# KiCad board rgbwstrip120_250_panel.kicad_pcb (continued)
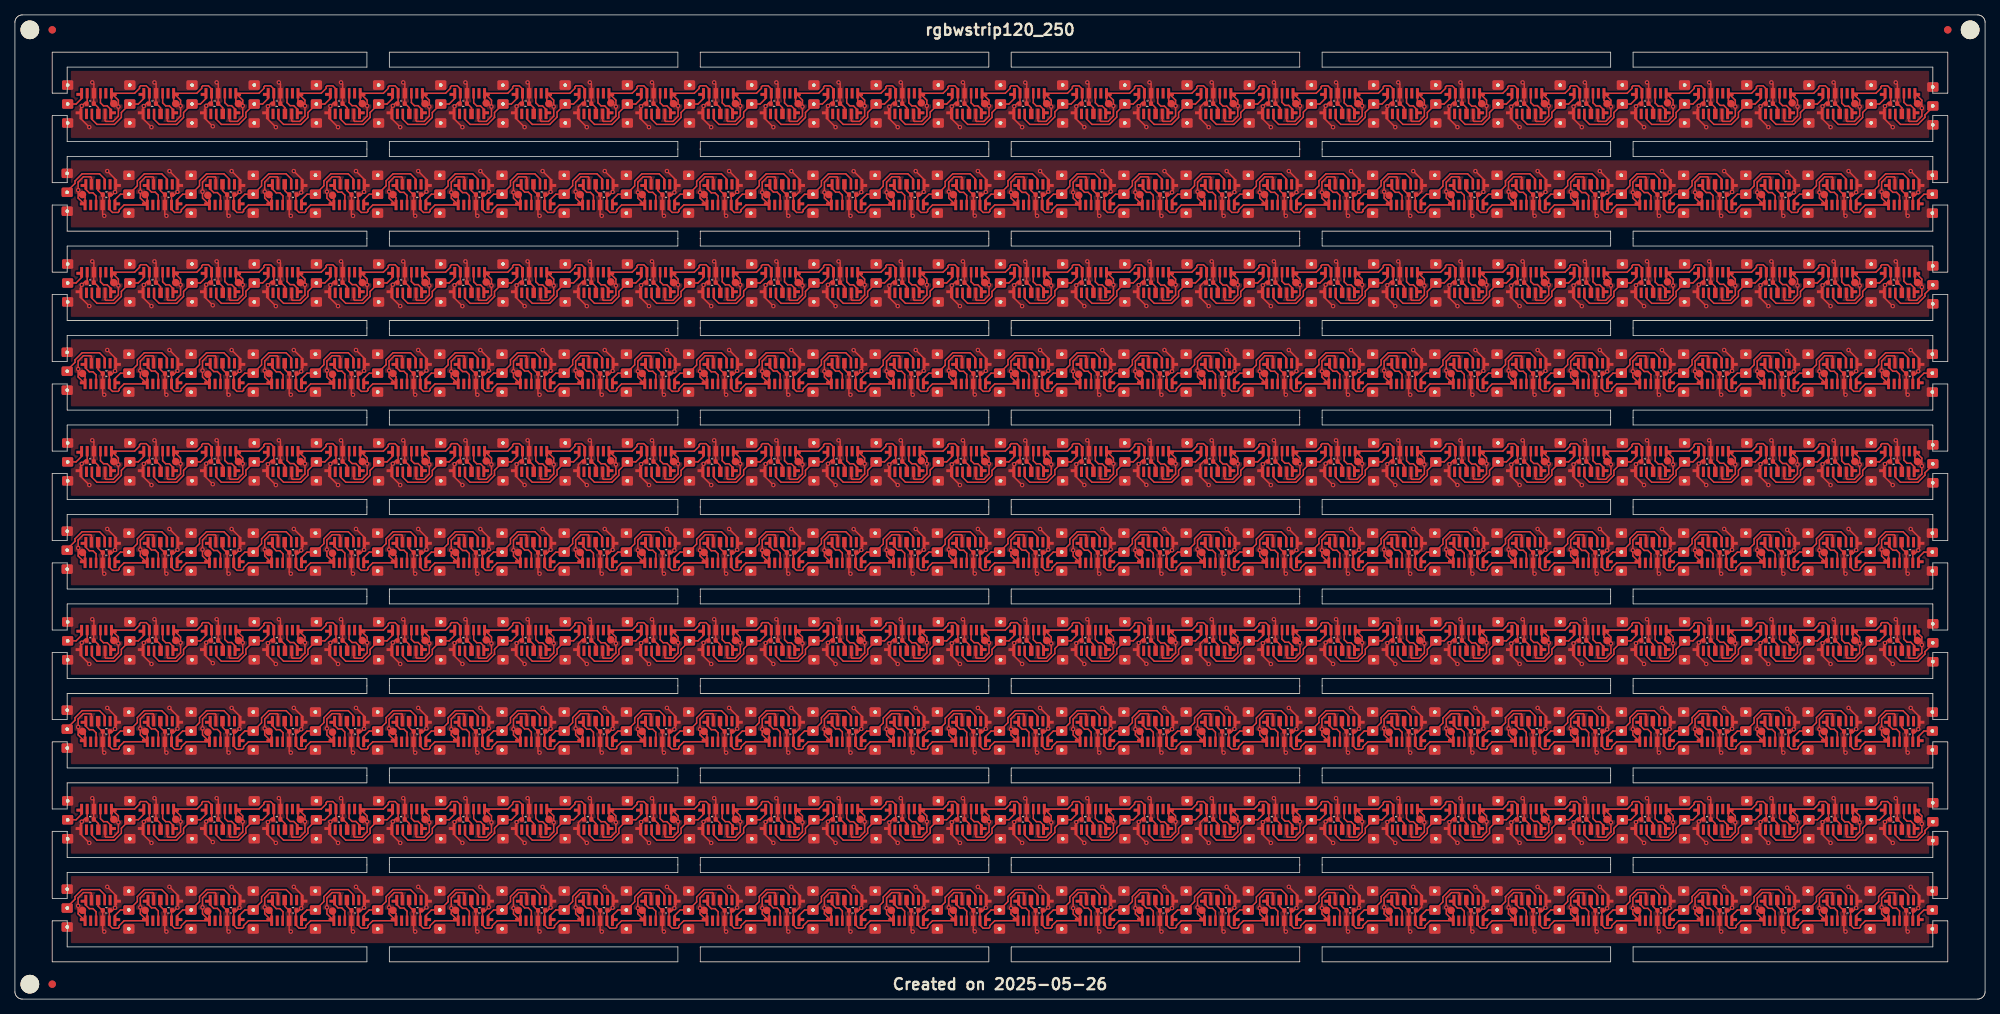
[diagram p0: board, top side]
## Routing (per net, layer and track width the routed paths; a pad name or vN(x,y) marks a point on that pad's centre or on a via; arc(x,y) is an arc through that point) (continued)
Board_2-Net-(J31-Pin_2): length 7.2
  Top w0.2: 251.98,94.72 251.98,94 252.66,93.32 255,93.32 255.95,94.27 255.95,94.6 256.6,95.25 256.6,95.79
Board_2-Net-(U1-DIN): length 3.5
  Top w0.2: 12.83,94.27 12.83,95.33 12.37,95.8 11.87,95.8 11.46,96.21 11.46,96.92
Board_2-Net-(U3-DIN): length 3.5
  Top w0.2: 21.17,94.27 21.17,95.33 20.7,95.8 20.2,95.8 19.79,96.21 19.79,96.92
Board_2-Net-(U5-DIN): length 3.5
  Top w0.2: 28.12,96.95 28.12,96.24 28.53,95.83 29.03,95.83 29.5,95.36 29.5,94.3
Board_2-Net-(U7-DIN): length 3.5
  Top w0.2: 36.46,96.95 36.46,96.24 36.87,95.83 37.37,95.83 37.83,95.36 37.83,94.3
Board_2-Net-(U10-DOUT): length 3.5
  Top w0.2: 46.15,94.3 46.15,95.36 45.68,95.83 45.18,95.83 44.77,96.24 44.77,96.95
Board_2-Net-(U11-DIN): length 3.5
  Top w0.2: 53.12,96.95 53.12,96.24 53.53,95.83 54.03,95.83 54.5,95.36 54.5,94.3
Board_2-Net-(U13-DIN): length 3.5
  Top w0.2: 61.47,96.92 61.47,96.21 61.88,95.8 62.38,95.8 62.85,95.33 62.85,94.27
Board_2-Net-(U15-DIN): length 3.5
  Top w0.2: 69.79,96.92 69.79,96.21 70.2,95.8 70.7,95.8 71.17,95.33 71.17,94.27
Board_2-Net-(U17-DIN): length 3.5
  Top w0.2: 79.5,94.27 79.5,95.33 79.03,95.8 78.53,95.8 78.12,96.21 78.12,96.92
Board_2-Net-(U19-DIN): length 3.5
  Top w0.2: 86.46,96.92 86.46,96.21 86.87,95.8 87.37,95.8 87.83,95.33 87.83,94.27
Board_2-Net-(U21-DIN): length 3.5
  Top w0.2: 94.78,96.92 94.78,96.21 95.18,95.8 95.68,95.8 96.15,95.33 96.15,94.27
Board_2-Net-(U23-DIN): length 3.5
  Top w0.2: 103.12,96.92 103.12,96.21 103.53,95.8 104.03,95.8 104.5,95.33 104.5,94.27
Board_2-Net-(U25-DIN): length 3.5
  Top w0.2: 111.46,96.92 111.46,96.21 111.87,95.8 112.37,95.8 112.83,95.33 112.83,94.27
Board_2-Net-(U27-DIN): length 3.5
  Top w0.2: 121.15,94.27 121.15,95.33 120.68,95.8 120.18,95.8 119.78,96.21 119.78,96.92
Board_2-Net-(U29-DIN): length 3.5
  Top w0.2: 128.12,96.92 128.12,96.21 128.53,95.8 129.03,95.8 129.5,95.33 129.5,94.27
Board_2-Net-(U31-DIN): length 3.5
  Top w0.2: 137.83,94.27 137.83,95.33 137.37,95.8 136.87,95.8 136.46,96.21 136.46,96.92
Board_2-Net-(U33-DIN): length 3.5
  Top w0.2: 146.15,94.27 146.15,95.33 145.68,95.8 145.18,95.8 144.78,96.21 144.78,96.92
Board_2-Net-(U35-DIN): length 3.5
  Top w0.2: 153.12,96.89 153.12,96.18 153.53,95.77 154.03,95.77 154.5,95.3 154.5,94.24
Board_2-Net-(U37-DIN): length 3.5
  Top w0.2: 162.83,94.24 162.83,95.3 162.37,95.77 161.87,95.77 161.46,96.18 161.46,96.89
Board_2-Net-(U39-DIN): length 3.5
  Top w0.2: 171.15,94.34 171.15,95.4 170.68,95.87 170.18,95.87 169.78,96.28 169.78,96.99
Board_2-Net-(U41-DIN): length 3.5
  Top w0.2: 178.12,96.92 178.12,96.21 178.53,95.8 179.03,95.8 179.5,95.33 179.5,94.27
Board_2-Net-(U43-DIN): length 3.5
  Top w0.2: 186.47,96.92 186.47,96.21 186.88,95.8 187.38,95.8 187.85,95.33 187.85,94.27
Board_2-Net-(U45-DIN): length 3.5
  Top w0.2: 196.17,94.24 196.17,95.3 195.7,95.77 195.2,95.77 194.79,96.18 194.79,96.89
Board_2-Net-(U47-DIN): length 3.5
  Top w0.2: 204.48,94.31 204.48,95.37 204.02,95.83 203.52,95.83 203.11,96.24 203.11,96.96
Board_2-Net-(U49-DIN): length 3.5
  Top w0.2: 211.46,96.92 211.46,96.21 211.87,95.8 212.37,95.8 212.83,95.33 212.83,94.27
Board_2-Net-(U51-DIN): length 3.5
  Top w0.2: 221.17,94.24 221.17,95.3 220.7,95.77 220.2,95.77 219.79,96.18 219.79,96.89
Board_2-Net-(U53-DIN): length 3.5
  Top w0.2: 229.45,94.34 229.45,95.4 228.98,95.87 228.48,95.87 228.07,96.28 228.07,96.99
Board_2-Net-(U55-DIN): length 3.5
  Top w0.2: 236.46,96.96 236.46,96.24 236.87,95.83 237.37,95.83 237.83,95.37 237.83,94.31
Board_2-Net-(U57-DIN): length 3.5
  Top w0.2: 244.79,96.89 244.79,96.18 245.2,95.77 245.7,95.77 246.17,95.3 246.17,94.24
Board_2-Net-(U59-DIN): length 3.5
  Top w0.2: 254.5,94.34 254.5,95.4 254.03,95.87 253.53,95.87 253.12,96.28 253.12,96.99
Board_3-+3.3V: length 592.6
  Top w0.2: 100.92,82.57 100.98,82.51 ; U37#9.1 105.17,85.92 v1(104.04,87.05) ; U9#7.5 218.58,86.18 218.48,86.28 217.51,86.28 216.8,85.58 v1(216.8,84.2) 216.8,83.44 U10#7.1 ; U41.5 85.25,86.18 85.14,86.28 84.17,86.28 83.47,85.58 v1(83.47,84.2) 83.47,83.44 U42.1 ; K4#3.1 117.73,83.62 U34#10.1 ; U40#8.1 92.73,83.52 K9#2.1 ; U40#8.1 89.63,82.51 88.97,81.85 88.97,81.65 88.82,81.5 88.07,81.5 87.65,81.93 U42.5 87.65,83.75 87.73,83.83 88.01,83.83 v1(88.36,84.19) 88.5,84.32 88.5,85.16 ; U40#8.1 91.8,83.44 v1(91.8,84.2) 91.8,85.58 92.51,86.28 93.48,86.28 93.58,86.18 U39#4.5 ; 13.5,85.16 13.5,84.32 v1(13.41,84.24) 13.01,83.83 12.73,83.83 12.65,83.75 U60#10.5 12.65,81.93 13.07,81.5 13.82,81.5 13.97,81.65 13.97,81.85 14.63,82.51 U58#6.1 ; v1(254.04,87.05) 255.17,85.92 U1#8.1 ; v1(212.37,87.05) 213.5,85.92 U11#9.1 ; U13#3.5 201.92,86.18 201.81,86.28 200.84,86.28 200.14,85.58 v1(200.15,84.3) ; U53#10.5 35.25,86.18 35.14,86.28 34.17,86.28 33.47,85.58 v1(33.47,84.3) 33.47,83.44 U54#5.1 ; 105.17,85.16 105.17,84.32 104.68,83.83 104.4,83.83 104.32,83.75 U38#7.5 104.32,81.93 104.74,81.5 105.49,81.5 105.64,81.65 105.64,81.85 106.29,82.51 U36#6.1 ; 254.32,81.93 U2#7.5 254.32,83.75 254.4,83.83 254.68,83.83 v1(255.05,84.2) 255.17,84.32 255.17,85.16 ; U5#6.1 238.5,85.92 v1(237.49,86.94) 237.37,87.05 ; 159.26,82.57 159.32,82.51 ; U36#6.1 109.4,83.55 K30.1 ; U36#6.1 108.47,83.44 v1(108.47,84.2) 108.47,85.58 109.17,86.28 110.14,86.28 110.25,86.18 U35.5 ; U2#7.1 247.96,82.51 247.3,81.85 247.3,81.65 247.15,81.5 246.41,81.5 245.98,81.93 U4#7.5 245.98,83.75 246.06,83.83 246.34,83.83 v1(246.73,84.22) 246.83,84.32 246.83,85.16 ; U2#7.1 250.75,82.82 ; U2#7.1 250.14,83.44 v1(250.14,84.3) 250.14,85.58 250.84,86.28 251.81,86.28 251.92,86.18 U1#8.5 ; U2#7.1 251.07,83.58 K1#10.1 ; U45#5.1 71.83,85.92 v1(70.7,87.05) ; 46.83,85.16 46.83,84.32 v1(46.78,84.27) 46.34,83.83 46.06,83.83 45.98,83.75 U52#5.5 45.98,81.93 46.41,81.5 47.15,81.5 47.3,81.65 47.3,81.85 47.96,82.51 U50#8.1 ; U51#4.1 46.83,85.92 v1(45.7,87.05) ; U43#3.1 80.17,85.92 v1(79.04,87.05) ; U50#8.1 51.07,83.48 K15#7.1 ; U50#8.1 50.14,83.44 v1(50.14,84.3) 50.14,85.58 50.84,86.28 51.81,86.28 51.92,86.18 U49#5.5 ; K24#3.1 34.4,83.55 U54#5.1 ; K2#8.1 192.73,83.62 U16.1 ; 250.92,82.57 250.98,82.51 ; K25#4.1 17.73,83.62 U58#6.1 ; U38#7.1 100.14,83.44 v1(100.14,84.2) 100.14,85.58 100.84,86.28 101.81,86.28 101.92,86.18 U37#9.5 ; U38#7.1 101.07,83.58 K5#8.1 ; U38#7.1 97.96,82.51 97.3,81.85 97.3,81.65 97.15,81.5 96.41,81.5 95.98,81.93 U40#8.5 95.98,83.75 96.06,83.83 96.34,83.83 v1(96.78,84.27) 96.83,84.32 96.83,85.16 ; U46#2.1 66.8,83.44 v1(66.8,84.2) 66.8,85.58 67.51,86.28 68.48,86.28 68.58,86.18 U45#5.5 ; U46#2.1 64.63,82.51 63.97,81.85 63.97,81.65 63.82,81.5 63.07,81.5 62.65,81.93 U48#3.5 62.65,83.75 62.73,83.83 63.01,83.83 v1(63.5,84.32) 63.5,85.16 ; U46#2.1 67.73,83.62 K23#4.1 ; K26#10.1 234.4,83.55 U6#5.1 ; U4#7.1 241.8,83.44 v1(241.8,84.2) 241.8,85.58 242.51,86.28 243.48,86.28 243.58,86.18 U3#6.5 ; U4#7.1 242.45,82.79 ; U4#7.1 242.73,83.62 K6.1 ; U4#7.1 239.63,82.51 238.97,81.85 238.97,81.65 238.82,81.5 238.07,81.5 237.65,81.93 U6#5.5 237.65,83.75 237.73,83.83 238.01,83.83 v1(238.36,84.19) 238.5,84.32 238.5,85.16 ; 109.26,82.57 109.32,82.51 ; U17.5 185.25,86.18 185.14,86.28 184.17,86.28 183.47,85.58 v1(183.47,84.3) ; U28#10.1 142.73,83.62 K13#3.1 ; U28#10.1 141.8,83.44 v1(141.8,84.2) 141.8,85.58 142.51,86.28 143.48,86.28 143.58,86.18 U27#2.5 ; U28#10.1 139.63,82.51 138.97,81.85 138.97,81.65 138.82,81.5 138.07,81.5 137.65,81.93 U30#8.5 137.65,83.75 137.73,83.83 138.01,83.83 v1(138.46,84.29) 138.5,84.32 138.5,85.16 ; v1(187.37,87.05) 188.5,85.92 U17.1 ; v1(162.37,87.05) 163.5,85.92 U23#9.1 ; v1(145.7,87.05) 146.83,85.92 U27#2.1 ; v1(183.47,84.3) 183.47,83.44 U18#3.1 ; v1(183.47,84.3) 183.97,83.8 K7#6.1 184.4,83.55 U18#3.1 ; K12.1 176.07,83.58 U20#9.1 ; U25#6.1 155.17,85.92 v1(154.04,87.05) ; v1(12.37,87.05) 13.5,85.92 U59#2.1 ; U11#9.5 210.25,86.18 210.14,86.28 209.17,86.28 208.47,85.58 v1(208.47,84.3) 208.47,83.44 U12#8.1 ; U13#3.1 205.17,85.92 v1(204.04,87.05) ; U14#7.1 200.14,83.44 v1(200.15,84.3) ; U14#7.1 197.96,82.51 197.3,81.85 197.3,81.65 197.15,81.5 196.41,81.5 195.98,81.93 U16.5 195.98,83.75 196.06,83.83 196.34,83.83 v1(196.78,84.27) 196.83,84.32 196.83,85.16 ; U14#7.1 201.07,83.62 K27#10.1 200.62,83.83 v1(200.15,84.3) ; U53#10.1 38.5,85.92 v1(37.37,87.05) ; U30#8.1 131.29,82.51 130.64,81.85 130.64,81.65 130.49,81.5 129.74,81.5 129.32,81.93 U32#7.5 129.32,83.75 129.4,83.83 129.68,83.83 v1(130.1,84.25) 130.17,84.32 130.17,85.16 ; U30#8.1 134.4,83.55 K18#3.1 ; U30#8.1 133.47,83.44 v1(133.47,84.2) 133.47,85.58 134.17,86.28 135.14,86.28 135.25,86.18 U29#7.5 ; U34#10.1 116.8,83.44 v1(116.8,84.2) 116.8,85.58 117.51,86.28 118.48,86.28 118.58,86.18 U33#7.5 ; U34#10.1 114.63,82.51 113.97,81.85 113.97,81.65 113.82,81.5 113.07,81.5 112.65,81.93 U36#6.5 112.65,83.75 112.73,83.83 113.01,83.83 v1(113.41,84.24) 113.5,84.32 113.5,85.16 ; K21#10.1 226.07,83.58 U8#2.1 ; 209.26,82.57 209.32,82.51 ; U48#3.1 59.4,83.55 K28#6.1 ; U48#3.1 56.29,82.51 55.64,81.85 55.64,81.65 55.49,81.5 54.74,81.5 54.32,81.93 U50#8.5 54.32,83.75 54.4,83.83 54.68,83.83 v1(55.15,84.3) 55.17,84.32 55.17,85.16 ; U48#3.1 58.47,83.44 v1(58.47,84.2) 58.47,85.58 59.17,86.28 60.14,86.28 60.25,86.18 U47#2.5 ; U25#6.5 151.92,86.18 151.81,86.28 150.84,86.28 150.14,85.58 v1(150.14,84.2) 150.14,83.44 U26#10.1 ; v1(245.7,87.05) 246.83,85.92 U3#6.1 ; U12#8.1 206.29,82.51 205.64,81.85 205.64,81.65 205.49,81.5 204.74,81.5 204.32,81.93 U14#7.5 204.32,83.75 204.4,83.83 204.68,83.83 v1(205.1,84.25) 205.17,84.32 205.17,85.16 ; U12#8.1 209.4,83.55 K11#4.1 ; v1(179.04,87.05) 180.17,85.92 U19#8.1 ; U10#7.1 217.73,83.62 K16#10.1 ; U10#7.1 214.63,82.51 213.97,81.85 213.97,81.65 213.82,81.5 213.07,81.5 212.65,81.93 U12#8.5 212.65,83.75 212.73,83.83 213.01,83.83 v1(213.36,84.19) 213.5,84.32 213.5,85.16 ; U44#3.1 76.07,83.58 K14#10.1 ; U44#3.1 72.96,82.51 72.3,81.85 72.3,81.65 72.15,81.5 71.41,81.5 70.98,81.93 U46#2.5 70.98,83.75 71.06,83.83 71.34,83.83 v1(71.78,84.27) 71.83,84.32 71.83,85.16 ; U44#3.1 75.14,83.44 v1(75.14,84.3) 75.14,85.58 75.84,86.28 76.81,86.28 76.92,86.18 U43#3.5 ; v1(54.04,87.05) 55.17,85.92 U49#5.1 ; K20#3.1 26.07,83.58 U56#3.1 ; U57#6.5 18.58,86.18 18.48,86.28 17.51,86.28 16.8,85.58 v1(16.8,84.3) 16.8,83.44 U58#6.1 ; 221.83,85.16 221.83,84.32 v1(221.73,84.22) 221.34,83.83 221.06,83.83 220.98,83.75 U10#7.5 220.98,81.93 221.41,81.5 222.15,81.5 222.3,81.65 222.3,81.85 222.96,82.51 U8#2.1 ; U33#7.1 121.83,85.92 v1(120.7,87.05) ; v1(29.04,87.05) 30.17,85.92 U55#7.1 ; v1(137.37,87.05) 138.5,85.92 U29#7.1 ; v1(20.7,87.05) 21.83,85.92 U57#6.1 ; U42.1 81.29,82.51 80.64,81.85 80.64,81.65 80.49,81.5 79.74,81.5 79.32,81.93 U44#3.5 79.32,83.75 79.4,83.83 79.68,83.83 v1(80.1,84.25) 80.17,84.32 80.17,85.16 ; U42.1 84.4,83.55 K10#9.1 ; 171.83,85.16 171.83,84.32 v1(171.73,84.22) 171.34,83.83 171.06,83.83 170.98,83.75 U22#4.5 170.98,81.93 171.41,81.5 172.15,81.5 172.3,81.65 172.3,81.85 172.96,82.51 U20#9.1 ; U51#4.5 43.58,86.18 43.48,86.28 42.51,86.28 41.8,85.58 v1(41.8,84.3) 41.8,83.44 U52#5.1 ; U16.1 191.8,83.44 v1(191.8,84.3) 191.8,85.58 192.51,86.28 193.48,86.28 193.58,86.18 U15#3.5 ; U16.1 189.63,82.51 188.97,81.85 188.97,81.65 188.82,81.5 188.07,81.5 187.65,81.93 U18#3.5 187.65,83.75 187.73,83.83 188.01,83.83 188.5,84.32 188.5,85.16 ; U32#7.1 125.14,83.44 v1(125.14,84.3) 125.14,85.58 125.84,86.28 126.81,86.28 126.92,86.18 U31#5.5 ; U32#7.1 122.96,82.51 122.3,81.85 122.3,81.65 122.15,81.5 121.41,81.5 120.98,81.93 U34#10.5 120.98,83.75 121.06,83.83 121.34,83.83 v1(121.78,84.27) 121.83,84.32 121.83,85.16 ; U32#7.1 126.07,83.58 K8#4.1 ; U56#3.1 25.14,83.44 v1(25.14,84.3) 25.14,85.58 25.84,86.28 26.81,86.28 26.92,86.18 U55#7.5 ; U56#3.1 22.96,82.51 22.3,81.85 22.3,81.65 22.15,81.5 21.41,81.5 20.98,81.93 U58#6.5 20.98,83.75 21.06,83.83 21.34,83.83 v1(21.78,84.27) 21.83,84.32 21.83,85.16 ; 34.26,82.57 34.32,82.51 ; U54#5.1 31.29,82.51 30.64,81.85 30.64,81.65 30.49,81.5 29.74,81.5 29.32,81.93 U56#3.5 29.32,83.75 29.4,83.83 29.68,83.83 v1(30.1,84.25) 30.17,84.32 30.17,85.16 ; U24#8.1 159.4,83.55 K17#4.1 ; U24#8.1 156.29,82.51 155.64,81.85 155.64,81.65 155.49,81.5 154.74,81.5 154.32,81.93 U26#10.5 154.32,83.75 154.4,83.83 154.68,83.83 v1(155.05,84.2) 155.17,84.32 155.17,85.16 ; U24#8.1 158.47,83.44 v1(158.47,84.3) 158.47,85.58 159.17,86.28 160.14,86.28 160.25,86.18 U23#9.5 ; 225.75,82.83 U8#2.1 ; U8#2.1 225.14,83.44 v1(225.14,84.2) 225.14,85.58 225.84,86.28 226.81,86.28 226.92,86.18 U7#5.5 ; v1(95.7,87.05) 96.83,85.92 U39#4.1 ; U15#3.1 196.83,85.92 v1(195.7,87.05) ; U18#3.1 181.29,82.51 180.64,81.85 180.64,81.65 180.49,81.5 179.74,81.5 179.32,81.93 U20#9.5 179.32,83.75 179.4,83.83 179.68,83.83 v1(180.1,84.25) 180.17,84.32 180.17,85.16 ; U20#9.1 175.14,83.44 v1(175.14,84.2) 175.14,85.58 175.84,86.28 176.81,86.28 176.92,86.18 U19#8.5 ; U26#10.1 147.96,82.51 147.3,81.85 147.3,81.65 147.15,81.5 146.41,81.5 145.98,81.93 U28#10.5 145.98,83.75 146.06,83.83 146.34,83.83 v1(146.83,84.32) 146.83,84.32 146.83,85.16 ; U26#10.1 151.07,83.58 K3#3.1 ; U5#6.5 235.25,86.18 235.14,86.28 234.17,86.28 233.47,85.58 v1(233.47,84.2) 233.47,83.44 U6#5.1 ; v1(220.7,87.05) 221.83,85.92 U9#7.1 ; U6#5.1 231.29,82.51 230.64,81.85 230.64,81.65 230.49,81.5 229.74,81.5 229.32,81.93 U8#2.5 229.32,83.75 229.4,83.83 229.68,83.83 v1(230.1,84.25) 230.17,84.32 230.17,85.16 ; 242.59,82.57 242.65,82.51 ; 125.92,82.57 125.98,82.51 ; U21#4.5 168.58,86.18 168.48,86.28 167.51,86.28 166.8,85.58 v1(166.8,84.2) 166.8,83.44 U22#4.1 ; v1(170.7,87.05) 171.83,85.92 U21#4.1 ; 234.26,82.57 234.32,82.51 ; 175.92,82.57 175.98,82.51 ; 225.92,82.57 225.98,82.51 ; U52#5.1 42.73,83.62 K19#10.1 ; U52#5.1 39.63,82.51 38.97,81.85 38.97,81.65 38.82,81.5 38.07,81.5 37.65,81.93 U54#5.5 37.65,83.75 37.73,83.83 38.01,83.83 v1(38.36,84.19) 38.5,84.32 38.5,85.16 ; U47#2.1 63.5,85.92 v1(62.37,87.05) ; U59#2.5 10.25,86.18 10.14,86.28 9.17,86.28 8.47,85.58 v1(8.47,84.5) 8.47,83.44 U60#10.1 9.4,83.55 K29#4.1 ; U22#4.1 164.63,82.51 163.97,81.85 163.97,81.65 163.82,81.5 163.07,81.5 162.65,81.93 U24#8.5 162.65,83.75 162.73,83.83 163.01,83.83 v1(163.41,84.24) 163.5,84.32 163.5,85.16 ; U22#4.1 167.73,83.62 K22#6.1 ; 25.92,82.57 25.98,82.51 ; 142.59,82.57 142.65,82.51 ; 167.59,82.57 167.65,82.51 ; v1(229.04,87.05) 230.17,85.92 U7#5.1 ; 84.26,82.57 84.32,82.51 ; 50.92,82.57 50.98,82.51 ; 192.59,82.57 192.65,82.51 ; 9.26,82.57 9.32,82.51 ; 217.59,82.57 217.65,82.51 ; U41.1 88.5,85.92 v1(87.37,87.05) ; 75.92,82.57 75.98,82.51 ; 134.26,82.57 134.32,82.51 ; 42.59,82.57 42.65,82.51 ; 17.59,82.57 17.65,82.51 ; 150.92,82.57 150.98,82.51 ; 184.26,82.57 184.32,82.51 ; 112.37,87.05 v1(112.39,87.04) 113.5,85.92 U35.1 ; v1(129.04,87.05) 130.17,85.92 U31#5.1 ; 59.26,82.57 59.32,82.51 ; 200.92,82.57 200.98,82.51 ; 67.59,82.57 67.65,82.51 ; 117.59,82.57 117.65,82.51 ; 92.59,82.57 92.65,82.51
Board_3-GND: length 133.9
  Top w0.2: v1(120.3,81.05) 120.08,81.27 U34#10.4 120.1,82.53 120.1,83.83 119.48,84.45 119.48,85.16 ; 20.3,81.05 v1(20.3,81.05) 20.08,81.27 U58#6.4 20.1,82.53 20.1,83.83 19.48,84.45 19.48,85.16 ; v1(78.64,81.05) 78.42,81.27 U44#3.4 78.44,82.53 78.44,83.83 77.82,84.45 77.82,85.16 ; v1(161.97,81.05) 161.75,81.27 U24#8.4 161.77,82.53 161.77,83.83 161.15,84.45 161.15,85.16 ; v1(186.97,81.05) 186.75,81.27 U18#3.4 186.77,82.53 186.77,83.83 186.15,84.45 186.15,85.16 ; 102.82,85.16 102.82,84.45 103.44,83.83 103.44,82.53 U38#7.4 103.42,81.27 v1(103.64,81.05) ; v1(236.97,81.05) 236.75,81.27 U6#5.4 236.77,82.53 236.77,83.83 236.15,84.45 236.15,85.16 ; 144.48,85.16 144.48,84.45 145.1,83.83 145.1,82.53 U28#10.4 145.08,81.27 v1(145.3,81.05) ; 252.82,85.16 252.82,84.45 253.44,83.83 253.44,82.53 U2#7.4 253.42,81.27 v1(253.64,81.05) ; v1(195.3,81.05) 195.08,81.27 U16.4 195.1,82.53 195.1,83.83 194.48,84.45 194.48,85.16 ; v1(86.97,81.05) 86.75,81.27 U42.4 86.77,82.53 86.77,83.83 86.15,84.45 86.15,85.16 ; 11.15,85.16 11.15,84.45 11.77,83.83 11.77,82.53 U60#10.4 11.75,81.27 v1(11.97,81.05) ; v1(95.3,81.05) 95.08,81.27 U40#8.4 95.1,82.53 95.1,83.83 94.48,84.45 94.48,85.16 ; 128.64,81.05 v1(128.62,81.07) 128.42,81.27 U32#7.4 128.44,82.53 128.44,83.83 127.82,84.45 127.82,85.16 ; 177.82,85.16 177.82,84.45 178.44,83.83 178.44,82.53 U20#9.4 178.42,81.27 v1(178.64,81.05) ; v1(153.64,81.05) 153.42,81.27 U26#10.4 153.44,82.53 153.44,83.83 152.82,84.45 152.82,85.16 ; v1(136.97,81.05) 136.75,81.27 U30#8.4 136.77,82.53 136.77,83.83 136.15,84.45 136.15,85.16 ; 219.48,85.16 219.48,84.45 220.1,83.83 220.1,82.53 U10#7.4 220.08,81.27 v1(220.3,81.05) ; v1(245.3,81.05) 245.08,81.27 U4#7.4 245.1,82.53 245.1,83.83 244.48,84.45 244.48,85.16 ; v1(28.64,81.05) 28.42,81.27 U56#3.4 28.44,82.53 28.44,83.83 27.82,84.45 27.82,85.16 ; 169.48,85.16 169.48,84.45 170.1,83.83 170.1,82.53 U22#4.4 170.08,81.27 v1(170.3,81.05) ; v1(61.97,81.05) 61.75,81.27 U48#3.4 61.77,82.53 61.77,83.83 61.15,84.45 61.15,85.16 ; v1(53.64,81.05) 53.42,81.27 U50#8.4 53.44,82.53 53.44,83.83 52.82,84.45 52.82,85.16 ; v1(111.97,81.05) 111.75,81.27 U36#6.4 111.77,82.53 111.77,83.83 111.15,84.45 111.15,85.16 ; v1(36.97,81.05) 36.75,81.27 U54#5.4 36.77,82.53 36.77,83.83 36.15,84.45 36.15,85.16 ; 227.82,85.16 227.82,84.45 228.44,83.83 228.44,82.53 U8#2.4 228.42,81.27 v1(228.64,81.05) ; 211.15,85.16 211.15,84.45 211.77,83.83 211.77,82.53 U12#8.4 211.75,81.27 v1(211.97,81.05) ; v1(45.3,81.05) 45.08,81.27 U52#5.4 45.1,82.53 45.1,83.83 44.48,84.45 44.48,85.16 ; v1(70.3,81.05) 70.08,81.27 U46#2.4 70.1,82.53 70.1,83.83 69.48,84.45 69.48,85.16 ; 202.82,85.16 202.82,84.45 203.44,83.83 203.44,82.53 U14#7.4 203.42,81.27 v1(203.64,81.05)
Board_3-Net-(J1-Pin_2): length 2.8
  Top w0.2: U2#7.6 255.07,83.21 255.81,83.95 256.84,83.95
Board_3-Net-(J2-Pin_2): length 10.4
  Top w0.2: J2#2.2 249.74,85.09 249.74,85.75 250.67,86.68 253.01,86.68 253.69,86 253.69,85.28 ; U4#7.6 246.73,83.21 247.47,83.95 248.5,83.95
Board_3-Net-(J3-Pin_2): length 10.4
  Top w0.2: J3#4.2 241.4,85.09 241.4,85.75 242.34,86.68 244.67,86.68 245.35,86 245.35,85.28 ; 240.17,83.95 239.14,83.95 238.4,83.21 U6#5.6
Board_3-Net-(J4-Pin_2): length 10.4
  Top w0.2: J4#4.2 233.05,85.07 233.05,85.73 234,86.68 236.34,86.68 237.02,86 237.02,85.28 ; 231.84,83.95 230.81,83.95 230.07,83.21 U8#2.6
Board_3-Net-(J5-Pin_2): length 10.4
  Top w0.2: 223.5,83.95 222.47,83.95 221.73,83.21 U10#7.6 ; 228.69,85.28 228.69,86 228.01,86.68 225.67,86.68 224.74,85.75 224.74,85.09 J5#3.2
Board_3-Net-(J6-Pin_2): length 10.4
  Top w0.2: 220.35,85.28 220.35,86 219.67,86.68 217.34,86.68 216.4,85.75 216.4,85.09 J6#7.2 ; U12#8.6 213.4,83.21 214.14,83.95 215.17,83.95
Board_3-Net-(J7-Pin_2): length 10.4
  Top w0.2: 206.84,83.95 205.81,83.95 205.07,83.21 U14#7.6 ; 212.02,85.28 212.02,86 211.34,86.68 209,86.68 208.07,85.75 208.07,85.09 J7#4.2
Board_3-Net-(J8-Pin_2): length 10.4
  Top w0.2: 203.69,85.28 203.69,86 203.01,86.68 200.67,86.68 199.74,85.75 199.74,85.74 199.73,85.74 199.74,85.58 199.74,85.09 J8#5.2 ; 198.5,83.95 197.47,83.95 196.73,83.21 U16.6
Board_3-Net-(J9-Pin_2): length 10.4
  Top w0.2: 195.35,85.28 195.35,86 194.67,86.68 192.34,86.68 191.35,85.7 191.35,85.03 J9#4.2 ; U18#3.6 188.4,83.21 189.14,83.95 190.17,83.95
Board_3-Net-(J10-Pin_2): length 10.4
  Top w0.2: J10#3.2 183.07,85.09 183.07,85.75 184,86.68 186.34,86.68 187.02,86 187.02,85.28 ; U20#9.6 180.07,83.21 180.81,83.95 181.84,83.95
Board_3-Net-(J11-Pin_2): length 10.4
  Top w0.2: 173.5,83.95 172.47,83.95 171.73,83.21 U22#4.6 ; J11#4.2 174.74,85.09 174.74,85.75 175.67,86.68 178.01,86.68 178.69,86 178.69,85.28
Board_3-Net-(J12-Pin_2): length 10.4
  Top w0.2: 170.35,85.28 170.35,86 169.67,86.68 167.34,86.68 166.35,85.7 166.35,85.03 J12#5.2 ; U24#8.6 163.4,83.21 164.14,83.95 165.17,83.95
Board_3-Net-(J13-Pin_2): length 10.4
  Top w0.2: U26#10.6 155.07,83.21 155.81,83.95 156.84,83.95 ; 162.02,85.28 162.02,86 161.34,86.68 159,86.68 158.07,85.75 158.07,85.09 J13.2
Board_3-Net-(J14-Pin_2): length 10.4
  Top w0.2: 153.69,85.28 153.69,86 153.01,86.68 150.67,86.68 150.67,86.68 149.74,85.75 149.74,85.09 J14#6.2 ; U28#10.6 146.73,83.21 147.47,83.95 148.5,83.95
Board_3-Net-(J15-Pin_2): length 10.4
  Top w0.2: 140.17,83.95 139.14,83.95 138.4,83.21 U30#8.6 ; J15#5.2 141.35,85.03 141.35,85.7 142.34,86.68 144.67,86.68 145.35,86 145.35,85.28
Board_3-Net-(J16-Pin_2): length 10.4
  Top w0.2: 131.84,83.95 130.81,83.95 130.07,83.21 U32#7.6 ; J16#9.2 133.07,85.09 133.07,85.75 134,86.68 136.34,86.68 137.02,86 137.02,85.28
Board_3-Net-(J17-Pin_2): length 10.4
  Top w0.2: U34#10.6 121.73,83.21 122.47,83.95 123.5,83.95 ; 128.69,85.28 128.69,86 128.01,86.68 125.67,86.68 124.65,85.67 124.65,85 J17#9.2
Board_3-Net-(J18-Pin_2): length 10.4
  Top w0.2: U36#6.6 113.4,83.21 114.14,83.95 115.17,83.95 ; J18.2 116.35,85.03 116.35,85.7 117.34,86.68 119.67,86.68 120.35,86 120.35,85.28
Board_3-Net-(J19-Pin_2): length 10.4
  Top w0.2: 106.84,83.95 105.81,83.95 105.07,83.21 U38#7.6 ; J19#7.2 108.07,85.09 108.07,85.75 109,86.68 111.34,86.68 112.02,86 112.02,85.28
Board_3-Net-(J20-Pin_2): length 10.4
  Top w0.2: U40#8.6 96.73,83.21 97.47,83.95 98.5,83.95 ; 103.69,85.28 103.69,86 103.01,86.68 100.67,86.68 99.74,85.75 99.74,85.09 J20#6.2
Board_3-Net-(J21-Pin_2): length 10.4
  Top w0.2: 90.17,83.95 89.14,83.95 88.4,83.21 U42.6 ; J21.2 91.35,85.03 91.35,85.7 92.34,86.68 94.67,86.68 95.35,86 95.35,85.28
Board_3-Net-(J22-Pin_2): length 10.4
  Top w0.2: 87.02,85.28 87.02,86 86.34,86.68 84,86.68 83.05,85.73 83.05,85.07 J22#5.2 ; U44#3.6 80.07,83.21 80.81,83.95 81.84,83.95
Board_3-Net-(J23-Pin_2): length 10.4
  Top w0.2: 73.5,83.95 72.47,83.95 71.73,83.21 U46#2.6 ; J23.2 74.74,85.09 74.74,85.75 75.67,86.68 78.01,86.68 78.69,86 78.69,85.28
Board_3-Net-(J24-Pin_2): length 10.4
  Top w0.2: J24.2 66.4,85.09 66.4,85.75 67.34,86.68 69.67,86.68 70.35,86 70.35,85.28 ; U48#3.6 63.4,83.21 64.14,83.95 65.17,83.95
Board_3-Net-(J25-Pin_2): length 10.4
  Top w0.2: 56.84,83.95 55.81,83.95 55.07,83.21 U50#8.6 ; J25#2.2 58.05,85.07 58.05,85.73 59,86.68 61.34,86.68 62.02,86 62.02,85.28
Board_3-Net-(J26-Pin_2): length 10.4
  Top w0.2: J26#7.2 49.74,85.09 49.74,85.75 50.67,86.68 53.01,86.68 53.69,86 53.69,85.28 ; 48.5,83.95 47.47,83.95 46.73,83.21 U52#5.6
Board_3-Net-(J27-Pin_2): length 10.4
  Top w0.2: 40.17,83.95 39.14,83.95 38.4,83.21 U54#5.6 ; 45.35,85.28 45.35,86 44.67,86.68 42.34,86.68 41.4,85.75 41.4,85.09 J27#9.2
Board_3-Net-(J28-Pin_2): length 10.4
  Top w0.2: U56#3.6 30.07,83.21 30.81,83.95 31.84,83.95 ; J28#2.2 33.05,85.07 33.05,85.73 34,86.68 36.34,86.68 37.02,86 37.02,85.28
Board_3-Net-(J29-Pin_2): length 10.4
  Top w0.2: J29#5.2 24.74,85.09 24.74,85.75 25.67,86.68 28.01,86.68 28.69,86 28.69,85.28 ; U58#6.6 21.73,83.21 22.47,83.95 23.5,83.95
Board_3-Net-(J30-Pin_2): length 10.4
  Top w0.2: J30#2.2 16.4,85.09 16.4,85.75 17.34,86.68 19.67,86.68 20.35,86 20.35,85.28 ; 15.17,83.95 14.14,83.95 13.4,83.21 U60#10.6
Board_3-Net-(J31-Pin_2): length 7.2
  Top w0.2: 12.02,85.28 12.02,86 11.34,86.68 9,86.68 8.05,85.73 8.05,85.4 7.4,84.75 7.4,84.21
Board_3-Net-(U1-DIN): length 3.5
  Top w0.2: 251.17,85.73 251.17,84.67 251.63,84.2 252.13,84.2 252.54,83.79 252.54,83.08
Board_3-Net-(U3-DIN): length 3.5
  Top w0.2: 244.21,83.08 244.21,83.79 243.8,84.2 243.3,84.2 242.83,84.67 242.83,85.73
Board_3-Net-(U5-DIN): length 3.5
  Top w0.2: 234.5,85.7 234.5,84.64 234.97,84.17 235.47,84.17 235.88,83.76 235.88,83.05
Board_3-Net-(U7-DIN): length 3.5
  Top w0.2: 226.17,85.7 226.17,84.64 226.63,84.17 227.13,84.17 227.54,83.76 227.54,83.05
Board_3-Net-(U10-DOUT): length 3.5
  Top w0.2: 219.22,83.05 219.22,83.76 218.82,84.17 218.32,84.17 217.85,84.64 217.85,85.7
Board_3-Net-(U11-DIN): length 3.5
  Top w0.2: 209.5,85.7 209.5,84.64 209.97,84.17 210.47,84.17 210.88,83.76 210.88,83.05
Board_3-Net-(U13-DIN): length 3.5
  Top w0.2: 201.15,85.73 201.15,84.67 201.62,84.2 202.12,84.2 202.53,83.79 202.53,83.08
Board_3-Net-(U15-DIN): length 3.5
  Top w0.2: 192.83,85.73 192.83,84.67 193.3,84.2 193.8,84.2 194.21,83.79 194.21,83.08
Board_3-Net-(U17-DIN): length 3.5
  Top w0.2: 185.88,83.08 185.88,83.79 185.47,84.2 184.97,84.2 184.5,84.67 184.5,85.73
Board_3-Net-(U19-DIN): length 3.5
  Top w0.2: 177.54,83.08 177.54,83.79 177.13,84.2 176.63,84.2 176.17,84.67 176.17,85.73
Board_3-Net-(U21-DIN): length 3.5
  Top w0.2: 167.85,85.73 167.85,84.67 168.32,84.2 168.82,84.2 169.22,83.79 169.22,83.08
Board_3-Net-(U23-DIN): length 3.5
  Top w0.2: 159.5,85.73 159.5,84.67 159.97,84.2 160.47,84.2 160.88,83.79 160.88,83.08
Board_3-Net-(U25-DIN): length 3.5
  Top w0.2: 151.17,85.73 151.17,84.67 151.63,84.2 152.13,84.2 152.54,83.79 152.54,83.08
Board_3-Net-(U27-DIN): length 3.5
  Top w0.2: 144.22,83.08 144.22,83.79 143.82,84.2 143.32,84.2 142.85,84.67 142.85,85.73
Board_3-Net-(U29-DIN): length 3.5
  Top w0.2: 135.88,83.08 135.88,83.79 135.47,84.2 134.97,84.2 134.5,84.67 134.5,85.73
Board_3-Net-(U31-DIN): length 3.5
  Top w0.2: 126.17,85.73 126.17,84.67 126.63,84.2 127.13,84.2 127.54,83.79 127.54,83.08
Board_3-Net-(U33-DIN): length 3.5
  Top w0.2: 119.22,83.08 119.22,83.79 118.82,84.2 118.32,84.2 117.85,84.67 117.85,85.73
Board_3-Net-(U35-DIN): length 3.5
  Top w0.2: 109.5,85.76 109.5,84.7 109.97,84.23 110.47,84.23 110.88,83.82 110.88,83.11
Board_3-Net-(U37-DIN): length 3.5
  Top w0.2: 102.54,83.11 102.54,83.82 102.13,84.23 101.63,84.23 101.17,84.7 101.17,85.76
